# Altium PCB DCAC_V2c.PcbDoc (part 4 of 7) (continued)
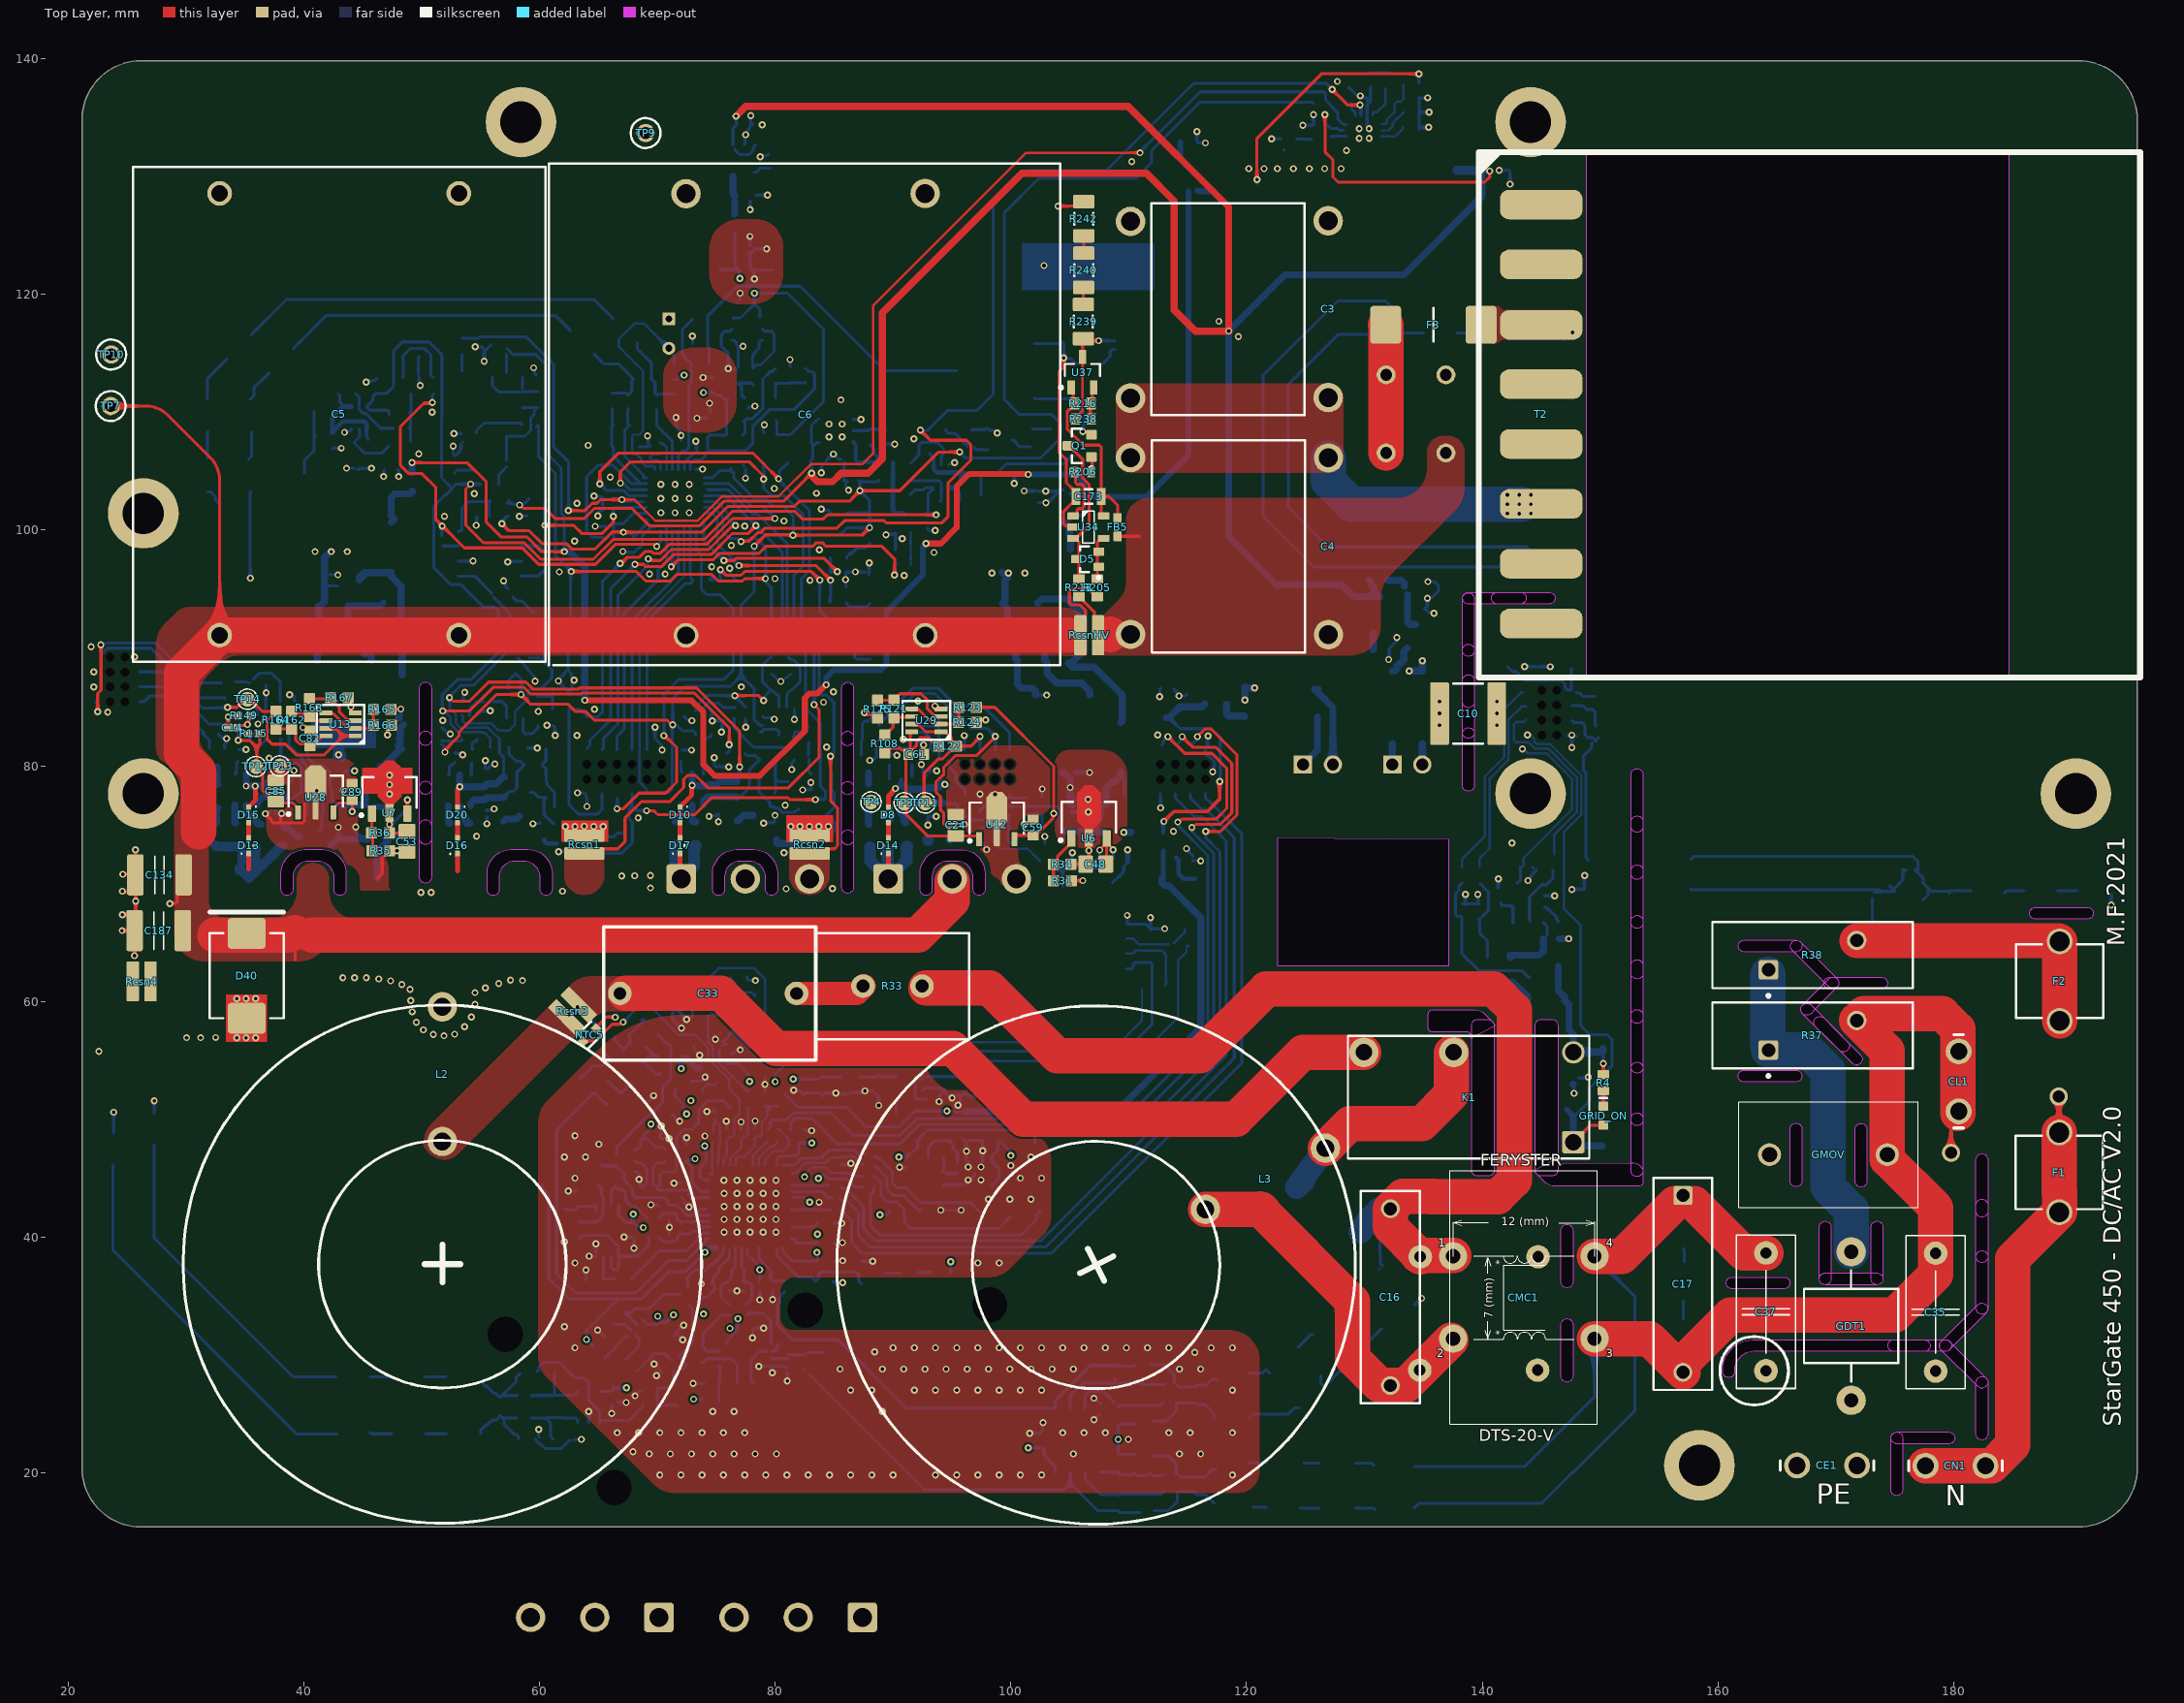
[diagram p0: Top Layer view]
## Nets (pads, with @x,y where several pads share a name; then routed paths per layer and width w, separated by ;. In a path a pad name is that pad's centre, name@x,y a point inside that pad or via, vN(x,y) a via of type N, cw(c..) or ccw(c..) an arc to the next point about the centre after c; other vN are vias at no path point) (continued)
  Bottom Layer w0.203: v1(79.987,53.184) 79.989,53.186 79.989,53.789 81.125,54.925 110.475,54.925 114.175,58.625 114.175,63.45 114.9,64.175 114.9,64.627 114.998,64.725 R256.1@115.075,64.725
  Bottom Layer w0.254: TP38.1@60.225,44.475 60.225,44.175 60.794,43.606 R57.1@60.794,42.429 60.794,36.482 62.058,35.218 62.501,34.775 66.65,34.775 67.4,34.775 68.675,34.775 70.95,37.05 72.38,37.05 v1(74.04,38.71) ; R246.1@64.555,30.72 v1(63.975,31.3) 63.975,32.075 66.65,34.75 67.4,34.75 ; v1(73.075,26.25) 73.7,26.25 R53.1@73.725,26.225 ; R53.1@73.7,26.3 R53.1@73.8,26.2 ; v1@73.975,38.775 74.2,39 ; U32.12@75.035,39.247 74.447,39.247 74.2,39 ; U32.12@75.114,39.106 75.114,39.023 75.091,39 74.2,39 ; C50.2@109.125,21.625 109.105,21.645 v1(109.105,22.83) 109.105,24.005 C145.2@109.15,24.05 109.225,24.125 R40.2@110.575,24.125 ; C50.2@109.175,21.55 R89.2@110.525,21.55
DAC2_2: C32.2 R58.2 TP37.1 U32.13 | length 33.9
  Bottom Layer w0.254: R58.2@64.328,52.022 64.523,52.216 R58.2@64.677,52.216 65.502,51.39 65.645,51.39 C32.2@65.645,51.205 ; R58.2@64.35,52 64.103,51.753 62.613,50.263 61.449,49.099 61.449,36.852 62.59,35.711 63.051,35.25 68.15,35.25 70.9,38 72.475,38 74.066,39.591 74.066,39.833 74.089,39.856 U32.13@74.364,39.856
DRV_HF_MOS_BOTT: CONN_BOTT.10 IC1.18 R107.1 | length 51.4
  Top Layer w0.254: v1(66.85,97.175) 66.944,97.175 67.473,97.705 68.48,97.705 68.95,98.175 69.531,98.175 69.699,98.007 70.201,98.007 70.369,98.175 70.389,98.175 70.999,98.785 74.17,98.785 76.367,100.982 v1(79.975,100.982)
  Bottom Layer w0.254: CONN_BOTT.10@65.3,77.63 65.294,77.624 65.294,76.294 64.9,75.9 63.288,75.9 62.5,76.688 62.5,84.1 62.5,84.725 R107.1@62.5,84.825 63.375,84.825 64.05,84.15 64.95,84.15 65.35,84.55 65.35,95.675 v1(66.85,97.175) ; IC1.18@73.975,103.925 76.12,103.925 78.045,102 78.957,102 v1(79.975,100.982)
DRV_LF_MOS_BOTT: CONN_BOTT.11 IC1.20 R99.1 | length 45.5
  Top Layer w0.254: v1(68.09,97.1) 68.818,97.1 69.018,96.9 70.336,96.9 71.357,97.921 74.567,97.921 76.346,99.7 77.694,99.7 78.347,100.353 v1(78.347,100.377)
  Bottom Layer w0.254: CONN_BOTT.11@64.03,81.48 64.273,81.723 64.273,82.148 66.05,83.925 66.05,95.06 v1(68.09,97.1) ; IC1.20@73.975,102.925 75.799,102.925 v1(78.347,100.377) ; v1@78.398,100.427 78.398,100.326 80.593,98.131 80.593,91.132 80.802,90.923 80.802,90.823 81.025,90.6 R99.1@81.125,90.6
"EARTH GND": C35.1 C37.2 C188.1 C189.2 CE1.1 CE1.2 GDT1.2 | length 5.1
  BOTT_RTN w3: CE1.2@166.84,20.66 171.85,20.66 CE1.1@171.88,20.63
GND: C9.1 C10.1 C38.1 C116.1 C149.1 J6.1 R15.2 R152.1 TP65.1 U1.3 U2.2 U5.3 | length 15.1
  Bottom Layer w0.254: C149.1@138.325,68.275 C9.1@139.675,68.275 ; C149.1@138.575,68.2 v1(138.575,69.075) ; v1(139.625,69.075) 139.625,68.375 C9.1@139.725,68.275 ; v1@141.34,70.41 141.35,70.4 R15.2@141.35,69.58 ; v1@143.45,88.4 v1(145.775,88.4) ; v1(143.875,70.255) 143.941,70.321 143.941,70.471 144.575,71.105 C116.1@144.575,71.155 ; C116.1@144.277,71.378 C116.1@144.325,71.33 ; U2.2@145.25,68.955 v1(146.15,68.955) 146.175,68.955 v1@146.225,68.905 ; J6.1@147.175,82.55 147.402,82.55 147.6,82.352 v1(147.6,81.55) ; v1@147.455,69.535 147.475,69.515 148.67,69.515 148.67,70.695 v1@148.675,70.7 ; v1(147.6,82.6) 147.7,82.5 J6.1@148.025,82.5 ; v1(147.775,52.2) C38.1@147.775,52.925 ; C38.1@148.125,53.5 148.925,53.5 ccw(c148.925,53.575) v1(149,53.575)
  Bottom Layer w0.6: R152.1@146.55,65.325 146.56,65.315 v1(147.325,65.315) ; C38.1@147.7,52.975 cw(c147.7,52.95) C38.1@147.725,52.95
  other v1: 147.605,69.5 141.37,70.41 148.685,70.69 142.52,73.43 141.25,83.45 141.25,84.45 141.25,85.45 143.6,88.425
HF_MOS_COMP1_INP: IC1.6 Q25.3 Rcsn1.2 TP59.1 | length 70.6
  Top Layer w0.254: Rcsn1.2@63.8,72.55 64.198,72.948 65.52,72.948 65.522,72.95 66.628,72.95 67.25,73.572 67.25,75.575 68.625,76.95 71.025,76.95 72.225,78.15 72.225,78.85 72.55,79.175 73.239,79.175 74.296,78.118 81.118,78.118 83.725,80.725 83.725,84.75 v1(83.295,85.18) ; v1(66.855,103.985) 66.855,104.955 67.68,105.78 77.82,105.78 78.959,104.641 78.959,104.391 v1(79.025,104.325)
  Bottom Layer w0.254: v1(66.855,103.985) 66.921,103.919 67.181,103.919 67.675,103.425 IC1.6@69.075,103.425 ; TP59.1@79,105.7 79.013,105.687 79.013,104.338 v1(79.025,104.325) ; v1@79.025,104.316 79.025,103.57 79.674,102.92 80.73,102.92 82.375,101.275 82.375,96.95 81.6,96.175 81.6,92.275 83.293,90.582 83.293,85.182 v1(83.295,85.18)
HF_TOP_TRIG_ADC_2: R180.2 R217.2 U32.33 | length 5.1
  Bottom Layer w0.178: R180.2@80.3,49.175 81.039,48.436 81.1,48.375 R217.2@81.175,48.375
  Bottom Layer w0.2: R180.2@80.25,49.175 R180.2@80.425,49 ; R180.2@80.275,49.175 R180.2@80.3,49.175 ; R217.2@81.025,48.282 R217.2@81.025,48.436
  Bottom Layer w0.203: U32.33@79.114,46.106 79.162,46.154 79.162,46.607 79.856,47.3 80.665,47.3 81.154,47.789 81.154,48.179 R217.2@81.225,48.25
HVDC_2: C167.2 R137.1 TP33.1 U30.3 | length 5.8
  Bottom Layer w0.254: R137.1@69.993,25.643 69.993,27.194 70.894,27.194 71.375,27.675 U30.3@71.375,28.608 ; R137.1@69.996,25.692 70.004,25.7 71.6,25.7 TP33.1@71.675,25.625
HVDC_ADC1_IN3_2: C60.1 C70.2 R101.2 U32.10 | length 5.7
  Bottom Layer w0.254: R101.2@73.6,34.875 74.184,34.875 74.86,35.552 74.86,35.836 74.697,35.999 74.697,36.272 C60.1@74.711,36.286 ; C60.1@74.775,36.125 74.735,36.165 74.735,36.563 C70.2@75.261,37.089 75.249,37.101 75.249,37.374 76.114,38.239 U32.10@76.114,38.914
HVDC_ADC1_IN4_2: C70.1 C132.2 R245.2 U32.11 | length 5.4
  Bottom Layer w0.254: R245.2@72.593,35.768 72.593,36.223 72.517,36.298 72.517,36.551 73.177,37.21 73.461,37.21 73.624,37.047 73.672,37.047 C132.2@73.799,37.174 ; C132.2@73.911,37.061 73.95,37.061 74.589,37.7 C70.1@74.7,37.7 ; C70.1@74.639,37.711 74.708,37.711 75.591,38.594 75.591,39.083 U32.11@75.614,39.106
HVDC_FUSE_MON: J6.7 R3.1 TP63.1 U1.4 | length 10.1
  Bottom Layer w0.254: U1.4@142.16,88.4 142.561,87.999 142.876,87.999 143.43,87.445 143.644,87.231 146.744,87.231 147.024,86.951 147.024,86.648 147.267,86.405 J6.7@147.57,86.405 147.57,88.23 TP63.1@147.525,88.275 ; J6.7@147.975,86.25 148.063,86.162 148.278,86.162 148.565,85.875 R3.1@149.575,85.875
HVDC_OPAMP1_VINN_1: C62.1 IC1.8 R132.2 | length 7.1
  Bottom Layer w0.254: R132.2@67.575,110.325 67.475,110.225 67.475,109.025 C62.1@67.625,108.875 67.6,108.875 67.227,108.502 67.227,108.355 67.225,108.353 67.225,106.275 68.791,104.709 68.791,104.427 68.793,104.425 IC1.8@69.075,104.425
HVDC_OPAMP1_VINP_1: C76.1 IC1.12 R191.2 | length 5.7
  Bottom Layer w0.254: R191.2@69.95,110.225 69.95,108.85 C76.1@70.025,108.775 70.05,108.775 71.275,107.55 IC1.12@71.275,105.125
HVDC_OPAMP1_VOUT_1: C62.2 IC1.7 R126.2 R160.1 TP55.1 | length 19.7
  Bottom Layer w0.254: R160.1@65.438,99.387 64.788,99.387 64.775,99.4 64.475,99.4 64,99.875 64,104.55 64.95,105.5 66.236,105.5 67.809,103.927 68.538,103.927 ; C62.2@66.125,108.875 66.125,107.15 66.264,107.011 66.264,106.269 68.607,103.927 69.073,103.927 IC1.7@69.075,103.925 ; R126.2@66.15,110.325 66.15,109.1 C62.2@66.275,108.975
I_HVDC_OPAMP2_COMP4_1: C144.2 D43.3 IC1.13 R243.2 TP45.1 | length 13.9
  Bottom Layer w0.254: IC1.13@71.775,105.125 71.775,106.29 C144.2@71.885,106.4 ; C144.2@72,106.535 72,106.555 72.193,106.748 72.424,106.748 72.642,106.966 72.642,109.773 72.65,109.781 72.65,112.2 D43.3@72.775,112.325 ; D43.3@72.75,112.325 72.875,112.45 72.875,114.075 72.9,114.1 72.306,114.694 72.3,114.694 72.12,114.874 72.12,117.045 TP45.1@73,117.925
I_HVDC_OPAMP2_OUT_1: IC1.11 R199.1 | length 2.7
  Bottom Layer w0.2: R199.1@70.2,107.475 70.375,107.3 70.443,107.3 70.468,107.325 70.775,107.018 IC1.11@70.775,105.125
I_HVDC_SENSE+: C2.1 C4.1 D3.1 FB5.2 R213.1 RcsnHV.2 | length 4.8
  Top Layer w0.254: R213.1@105.775,94.35 105.875,94.35 106.148,94.077 106.148,93.977 107.1,93.025 107.1,92.5 RcsnHV.2@107.275,92.325 ; RcsnHV.2@107.275,89.95 RcsnHV.2@107.3,89.925 ; 108.775,92.375 ccw(c108.825,92.375) 108.825,92.325 ; FB5.2@109.05,99.475 110.925,99.475
  Top Layer w3: 108.375,91.125 108.425,91.175
IAC_ADC2_IN4_2: C34.1 C164.2 R61.2 U32.15 | length 6.3
  Bottom Layer w0.254: R61.2@70.1,39.95 70.124,39.926 70.236,39.926 70.556,39.605 71.489,39.605 71.69,39.806 71.69,40.037 71.883,40.23 C34.1@71.903,40.23 ; C34.1@71.873,40.23 C34.1@72.058,40.415 ; C34.1@71.973,40.23 C34.1@71.903,40.23 ; U32.15@74.364,40.856 73.639,40.856 73.311,40.528 73.056,40.528 72.863,40.335 C164.2@72.863,40.315 72.82,40.272 72.116,40.272 C34.1@72.058,40.33 ; C34.1@71.903,40.23 C34.1@71.957,40.23 ; C34.1@71.903,40.23 C34.1@71.957,40.23 ; C34.1@71.903,40.23 C34.1@71.957,40.23 ; C34.1@71.903,40.23 72.058,40.385 C34.1@72.058,40.33 ; C34.1@71.957,40.23 C34.1@72.058,40.33 ; C34.1@71.957,40.23 C34.1@72.058,40.33 ; C34.1@71.957,40.23 C34.1@72.058,40.33 ; C34.1@71.957,40.23 C34.1@72.058,40.33
IAC_ADC2_IN5_2: C164.1 C165.2 R210.2 U32.16 | length 6.1
  Bottom Layer w0.254: R210.2@70.1,41.575 70.53,42.005 71.489,42.005 71.688,41.806 C165.2@71.688,41.43 ; C165.2@71.853,41.38 71.873,41.38 C165.2@72.058,41.195 ; U32.16@74.364,41.356 73.023,41.356 C164.1@72.863,41.195 72.863,41.245 72.82,41.287 72.77,41.287 72.116,41.287 C165.2@72.058,41.229 ; C165.2@71.903,41.38 C165.2@72.053,41.229 ; C165.2@71.903,41.38 C165.2@72.053,41.229 ; C165.2@71.903,41.38 C165.2@72.053,41.229 ; C165.2@71.903,41.38 C165.2@72.053,41.229 ; C165.2@71.903,41.38 71.903,41.35 C165.2@72.058,41.195 ; C165.2@72.053,41.229 C165.2@72.058,41.229 ; C165.2@72.058,41.195 C165.2@72.058,41.229
IAC_COMP1_INP_2: C40.2 R72.2 TP30.1 U32.17 U32.18 | length 12.9
  Bottom Layer w0.254: TP30.1@65.275,46.1 65.325,46.05 66.45,46.05 R72.2@66.475,46.075 67.175,45.375 67.175,44.849 67.883,44.14 67.883,43.573 68.111,43.345 70.633,43.345 70.861,43.118 70.861,42.887 71.054,42.694 71.68,42.694 72.518,41.856 73.144,41.856 ; U32.18@74.187,42.358 73.646,42.358 73.144,41.856 ; U32.17@74.364,41.856 73.144,41.856
IAC_PGA2_VOUT_2: R59.2 U32.14 | length 8.3
  Bottom Layer w0.254: R59.2@67.763,36.43 70.158,38.825 72.464,38.825 73.487,39.849 73.487,39.968 73.852,40.333 74.341,40.333 U32.14@74.364,40.356
IAC_REF_2: C20.2 R255.2 U32.27 | length 5.9
  Bottom Layer w0.178: C20.2@77.1,48.285 77.1,48.3 77.1,48.305 77.223,48.428 77.331,48.536 77.48,48.536 77.687,48.743 77.687,50.937 R255.2@77.775,51.025
  Bottom Layer w0.203: U32.27@76.114,46.106 76.162,46.154 76.162,46.645 77.125,47.608 C20.2@77.125,48.285 ; C20.2@77.1,48.3 C20.2@77.225,48.425
IND_GND: BR2.4 C11.1 C12.1 C18.1 C19.1 C20.1 C21.1 C22.1 C29.1 C30.1 C31.1 C34.2 C40.1 C41.2 C44.2 C46.2 C60.2 C63.1 C64.1 C65.1 C73.1 C79.1 C84.1 C94.1 C96.1 C99.1 C101.1 C108.1 C111.1 C128.1 C130.2 C131.1 C132.1 C133.1 C135.1 C139.1 C143.1 C148.1 C151.1 C152.1 C153.1 C155.1 C156.1 C157.1 C158.1 C160.1 C162.1 C163.1 C165.1 C167.1 C169.2 C174.1 C175.1 C190.1 D2.2 J1.1 J1.8 J2.3 NTC5.1 Q7.2 R1.2 R7.1 R11.1 R44.2 R65.1 R82.2 R117.1 R204.1 TP23.1 TP24.1 TP29.1 TP34.1 U4.2 U8.2 U9.4 U19.4 U20.4 U21.2 U22.1 U22.2 U25.1 U25.7 U30.4 U32.49 U38.2 U39.5 U41.2 | length 107.4
  Top Layer w0.254: 65.023,58.023 65.669,58.669 66.431,58.669 v1(66.439,58.661)
  Bottom Layer w0.2: C139.1@71.182,50.342 C139.1@71.383,50.342 ; U38.2@76.162,55.554 76.445,55.554 76.707,55.816 76.951,55.816 v1(77.028,55.892) ; v1(78.6,29.025) 79.349,29.026 U20.4@79.375,29 ; U20.4@79.538,28.999 79.566,29.026 U20.4@79.69,29.026 80.718,29.026 80.81,28.935 C131.1@81.045,28.935 ; v1(79.75,28.475) 79.75,28.975 U20.4@79.8,29.025 ; v1(79.775,34.7) 79.775,35.4 C133.1@79.8,35.425 ; C44.2@84.95,39.475 85,39.525 v1(85.7,39.525) ; R82.2@84.95,41.125 85,41.175 v1(85.625,41.175) ; C169.2@85,37.925 85.075,38 v1(85.725,38) ; v1(94.05,42.285) 94.898,42.285 94.91,42.273 v1@95.787,42.273
  Bottom Layer w0.254: R44.2@59.656,22.854 59.656,22.804 59.979,22.481 60.029,22.481 60.461,22.049 61.826,22.049 62.531,22.754 C130.2@62.631,22.754 ; v2(59.925,23.675) 59.925,23.075 R44.2@59.95,23.05 ; v1(62.45,43.9) 63.1,43.9 C19.1@63.15,43.85 ; C130.2@62.925,22.75 63,22.825 v1(63.55,22.825) ; C99.1@63.88,36.38 63.942,36.442 v1(63.942,37.2) ; v1(64.175,25.2) 64.178,25.197 64.178,24.282 U8.2@64.181,24.279 ; v1(64.2,38.375) 64.725,38.375 U9.4@64.775,38.325 ; U9.4@64.775,38.65 64.769,38.656 64.769,39.419 v1(64.775,39.425) ; v1(64.925,32.1) cw(c64.925,32.04) 64.968,32.082 C174.1@65.5,31.55 ; v1(66.125,25.025) C152.1@66.125,25.791 ; C152.1@66.581,26.004 C152.1@66.656,26.004 ; C152.1@66.65,25.95 66.655,25.955 v1(67.35,25.955) ; v1(67.169,40.007) 67.805,40.007 C31.1@67.876,39.936 ; C31.1@67.988,39.855 68.017,39.825 v1(68.017,39.052) ; U22.1@68.076,45.527 68.234,45.527 68.407,45.354 68.407,44.936 v1(68.439,44.904) 68.439,44.81 68.534,44.715 68.534,44.341 68.7,44.175 68.7,44.2 69.12,44.621 69.12,45.778 68.594,46.304 68.249,46.304 U22.2@68.076,46.477 ; v1(68.1,26.525) 68.1,26.577 68.473,26.95 C167.1@68.675,26.95 ; U21.2@69.175,51.45 69.175,51.473 69.675,51.973 v1(69.675,52) ; U21.2@69.184,51.526 U21.2@69.184,51.544 ; v1(69.45,42.741) 69.473,42.717 70.009,42.717 C40.1@70.139,42.588 ; v1(69.71,29.215) 69.721,29.215 70.161,28.775 U30.4@70.175,28.775 ; v1(69.925,28.25) 70.263,28.588 70.312,28.588 U30.4@70.375,28.525 ; C163.1@70.228,48.634 70.331,48.736 v1(70.331,49.411) ; C163.1@70.243,48.475 70.366,48.351 v1(71.003,48.351) ; C34.2@71.005,40.237 C165.1@71.005,41.422 ; R1.2@71.355,59.07 71.285,58.999 71.285,58.483 v1(72.044,57.724) ; C139.1@71.383,50.342 71.383,50.248 71.791,49.84 v1(71.885,49.84) ; C175.1@71.385,31.615 71.602,31.833 C175.1@71.602,31.848 71.602,31.902 v1(72.225,32.525) v1@72.275,32.575 ; v1(71.4,44.578) 71.422,44.599 72.028,44.599 C108.1@72.05,44.621 ; C175.1@71.575,31.775 71.65,31.775 v1(72.15,31.275) ; R1.2@71.675,59.14 71.812,59.14 71.916,59.036 71.919,59.036 v1(72.48,58.475) 72.546,58.541 72.762,58.541 73,58.78 C22.1@73,59.5 ; C160.1@72.065,43.348 72.07,43.348 72.263,43.155 72.263,42.924 72.636,42.55 v1(72.679,42.55) ; v1(72.465,48.432) 72.432,48.399 72.432,47.922 C111.1@72.506,47.849 ; C190.1@72.823,53.177 72.858,53.213 73.713,53.213 v1@74,53.5 ; v1(73.025,27.585) 73.945,27.585 C96.1@73.98,27.55 ; C22.1@73.05,59.55 C22.1@73,59.5 ; C94.1@73.067,56.142 73.067,55.983 v1@73.6,55.45 ; v1(74.212,50.657) 74.278,50.724 74.735,50.724 C135.1@74.857,50.602 ; U41.2@74.375,59.8 74.175,59.8 73.875,59.5 C22.1@73,59.5 ; C135.1@74.775,50.815 cw(c74.977,50.661) 74.807,50.85 C135.1@74.833,50.873 ; C21.1@74.816,57.134 74.816,56.977 74.925,56.869 v1(74.925,56.775) ; C21.1@75.275,57.325 C21.1@75.323,57.277 ; v1(75.85,49.825) 75.888,49.788 75.888,49.232 C29.1@75.934,49.185 ; C84.1@76.1,35.435 76.1,35.43 76.745,35.43 v1(76.75,35.425) 76.755,35.43 77.395,35.43 C41.2@77.4,35.435 ; C20.1@77.1,49.165 v1(77.1,49.775) 77.1,49.85 v1@77.125,49.875 ; R204.1@77.6,62 R204.1@77.6,62.1 ; R204.1@77.625,61.925 77.775,61.775 v1(78.325,61.775) ; v1(78.075,31.45) 78.075,32.054 cw(c78.246,32.054) C128.1@78.125,32.175 ; C128.1@78.218,32.246 78.246,32.275 v1(79.025,32.275) ; v1(78.3,49.85) 78.287,49.838 78.287,49.338 C63.1@78.325,49.3 ; C46.2@78.675,35.41 78.705,35.38 v1@78.705,34.685 ; R65.1@79.125,52.3 v1(79.125,52.95) C65.1@79.125,53.575 ; v1(81.017,27.791) C131.1@81.017,28.556 ; v1@81.508,52.423 v1(81.56,52.475) 81.654,52.475 81.731,52.398 82.087,52.398 C148.1@82.385,52.1 C148.1@82.36,52.075 ; C155.1@82.375,49.2 82.523,49.052 83.048,49.052 v1(83.075,49.025) ; C148.1@82.46,52.175 82.51,52.225 83.76,52.225 C143.1@83.96,52.025 ; C143.1@83.96,51.95 84.235,52.225 v1(85.135,52.225) 85.201,52.159 86.259,52.159 86.35,52.25 87.366,52.25 87.516,52.4 v1@87.575,52.4 ; R117.1@84.9,36.225 85,36.125 85.65,36.125 v1@85.675,36.15 ; D2.2@85.58,46.105 85.628,46.153 86.229,46.153 86.291,46.215 v1@86.45,46.215 ; Q7.2@87.35,37.925 87.375,37.95 v1(88.275,37.95) ; v1(87.61,52.4) 88.255,52.4 C101.1@88.572,52.083 ; v1(88.785,51.175) 88.785,51.922 C101.1@88.822,51.958 ; v1(90.55,45.925) 90.616,45.859 91.034,45.859 C158.1@91.125,45.95 ; U4.2@92.5,52.47 92.5,52.494 92.673,52.667 U4.2@92.873,52.667 ; U4.2@92.902,52.667 93.917,52.667 94.109,52.475 C73.1@94.385,52.475 ; v1(93.9,51.5) 93.961,51.561 93.961,52.03 94.259,52.328 C73.1@94.306,52.328 ; R11.1@94.24,44.367 94.315,44.442 U25.1@95.465,44.442 96.167,44.442 96.915,45.19 U25.7@96.915,45.392 ; C73.1@94.419,52.265 94.654,52.03 94.677,52.03 94.906,51.8 v1(95,51.8) 95.094,51.8 95.344,52.05 C12.1@95.86,52.05 ; v1(95.5,51.2) 95.5,51.294 95.687,51.481 95.687,51.852 95.848,52.013 95.898,52.013 C12.1@96.035,52.15 ; C157.1@95.915,48.317 C157.1@96.19,48.042 ; C12.1@96.06,52.25 96.36,51.95 97.285,51.95 97.341,51.894 97.944,51.894 98,51.95 TP24.1@98.06,51.95 ; C157.1@96.19,48.142 C157.1@96.19,48.042 ; v1(96.225,47.29) 96.225,48.007 C157.1@96.19,48.042 ; U25.7@96.415,46.392 96.313,46.392 96.19,46.515 C157.1@96.19,48.042 ; C157.1@96.415,48.192 C156.1@97.54,48.192 ; U25.7@97.44,46.267 97.615,46.442 v1@97.615,47.385 ; C156.1@97.565,48.192 C156.1@97.54,48.192 ; v1(97.61,47.315) 97.61,48.122 C156.1@97.54,48.192 ; v1(101.6,23.35) C30.1@102.55,23.35 ; C30.1@102.475,23.45 102.7,23.675 v1@102.7,24.345 ; v2(107.05,24.5) 107.077,24.5 107.475,24.898 U19.4@107.475,24.975 ; v2(107.05,26.32) 107.117,26.32 107.588,25.85 U19.4@107.65,25.85 ; v1@109.875,67.35 109.875,66.645 U39.5@109.82,66.59 109.845,66.565 111.435,66.565 C18.1@111.85,66.15 ; C18.1@111.825,66.125 C18.1@111.85,66.15 ; v1(111.85,67.11) C18.1@111.85,66.15 ; C18.1@111.925,66.075 C18.1@111.85,66.15 ; v1(112.625,85.875) 112.625,86.5 C162.1@112.7,86.575 ; J1.8@112.695,77.63 112.695,76.555 v1@112.7,76.55 ; v1(113.05,66.175) 111.875,66.175 C18.1@111.85,66.15 ; C162.1@113.85,86.525 113.85,86.45 114.206,86.094 114.206,85.991 v1(114.272,85.925) v1(114.272,85.925) 114.801,85.926 C11.1@114.925,86.05 ; v1(114.9,72.975) 114.9,72.9 115.45,72.35 R7.1@115.45,72.275 ; R7.1@115.425,71.95 115.45,71.925 v1(116.1,71.925) ; J1.1@116.505,81.37 116.505,81.005 116.748,80.762 116.838,80.762 117.275,80.325 117.275,79.744 117.125,79.594 v1(117.125,79.5) ; J1.1@116.725,81.604 116.668,81.661 116.668,82.468 v1(116.725,82.525)
  Bottom Layer w0.6: v1(119.85,85.575) BR2.4@119.85,86.695 119.945,86.6 v1(120.675,86.6)
  other v1: 70.2,19.8 72,19.8 73.8,19.8 75.6,19.8 77.4,19.8 79.2,19.8 81,19.8 82.8,19.8 84.6,19.8 86.4,19.8 88.2,19.8 90,19.8 93.6,19.8 95.4,19.8 97.2,19.8 99,19.8 100.8,19.8 102.6,19.8 118.8,19.8 69.3,21.6 71.1,21.6 72.9,21.6 74.7,21.6 76.5,21.6 78.3,21.6 80.1,21.6 105.3,21.6 114.3,21.6 116.1,21.6 67.925,21.775 109.96,22.83 66.6,23.4 68.4,23.4 70.2,23.4 72,23.4 73.8,23.4 75.6,23.4 77.4,23.4 104.4,23.4 106.2,23.4 108,23.4 113.4,23.4 115.2,23.4 118.8,23.4 102.725,24.25 74.7,25.2 76.5,25.2 89.1,25.2 86.4,27 88.2,27 91.8,27 93.6,27 95.4,27 97.2,27 99,27 100.8,27 102.6,27 118.8,27 85.5,28.8 89.1,28.8 90.9,28.8 92.7,28.8 94.5,28.8 96.3,28.8 98.1,28.8 99.9,28.8 101.7,28.8 103.5,28.8 105.3,28.8 114.3,28.8 116.1,28.8 115.595,30.22 88.425,30.25 63,30.6 90,30.6 91.8,30.6 93.6,30.6 95.4,30.6 97.2,30.6 99,30.6 100.8,30.6 102.6,30.6 104.4,30.6 106.2,30.6 108,30.6 109.8,30.6 111.6,30.6 113.4,30.6 117,30.6 118.8,30.6 62.1,32.4 78.695,34.68 73.725,36.025 85.725,36.125 63,37.8 97.2,37.8 99,37.8 62.1,39.6 75.664,40.406 76.764,40.406 77.864,40.406 78.964,40.406 80.064,40.406 71.022,40.82 75.664,41.506 76.764,41.506 77.864,41.506 78.964,41.506 80.064,41.506 95.775,42.285 75.664,42.606 76.764,42.606 77.864,42.606 78.964,42.606 80.064,42.606 83.725,42.95 98.1,43.2 99.9,43.2 101.7,43.2 75.664,43.706 76.764,43.706 77.864,43.706 78.964,43.706 80.064,43.706 75.639,44.806 76.764,44.806 77.864,44.806 78.964,44.806 80.064,44.806 63,45 100.8,45 102.6,45 100,46.075 86.42,46.25 62.1,46.8 63.9,46.8 101.7,46.8 65.025,47.875 74.025,48.575 63,48.6 74.05,53.575 73.575,55.425 109.875,67.3 113.785,74.44 112.7,76.425 112.453,82.625
  other v3: 96.365,44.842 97.465,44.842 96.365,45.942 97.465,45.942
IND_V_3V3A: C94.2 C108.2 C111.2 TP21.1 U32.21 U38.5 | length 20.9
  TOP_RTN w0.5: v1(72.025,54.3) 72.044,54.281 72.044,52.444 70.273,50.673 69.373,50.673 68.525,49.825 68.525,48.525 70.407,46.643 v1(73.199,46.643)
  Bottom Layer w0.254: C111.2@72.4,46.35 72.627,46.577 73.133,46.577 v1(73.199,46.643) ; C111.2@72.507,46.357 72.532,46.357 72.93,45.96 C108.2@72.93,44.621 72.95,44.621 73.699,43.871 74.348,43.871 U32.21@74.364,43.856
  Bottom Layer w0.5: v1(72.025,54.3) 72.025,54.782 72.333,55.09 C94.2@72.333,55.258 ; C94.2@72.183,55.258 72.392,55.258 73.215,54.435 73.251,54.435 73.44,54.246 73.511,54.246 U38.5@73.652,54.387
IND_V_3V3D: C44.1 C64.2 C155.2 C158.2 C169.1 FB19.2 J1.3 J2.1 LED2.2 TP27.1 U32.1 U32.23 U32.35 U32.48 | length 102.4
  Top Layer w0.254: v1(115.825,82.475) 115.825,82.48 116.474,83.13 116.976,83.13 119.175,80.93 119.175,75.825 117.775,74.425 v1(116.525,74.425)
  TOP_RTN w0.254: v1(74.021,47.746) 74.088,47.813 74.671,47.813 74.833,47.975 v1@83,47.975 ; v1(83.55,38.7) 83.562,38.712 83.562,40.235 v1(83.575,40.247) ; v1@83.641,40.416 85.925,42.7 ; 85.925,47.975 86.525,48.575 86.525,47.2 ; 88.7,44.35 88.7,45.025 ; v1(94.9,37.9) 94.9,40.275
  Bottom Layer w0.254: C64.2@73.547,47.703 73.862,47.703 73.905,47.746 v1(74.021,47.746) 74.021,47.653 74.125,47.549 74.125,46.375 73.621,45.871 73.621,45.11 73.852,44.879 74.341,44.879 U32.23@74.364,44.856 ; U32.35@80.114,46.106 80.137,46.129 80.137,46.617 80.395,46.875 81.725,46.875 81.997,47.147 81.997,47.897 C155.2@82.1,48 ; U32.1@80.614,39.106 80.614,38.831 81.494,37.95 C169.1@83.55,37.95 v1(83.55,38.7) ; U32.48@81.364,39.856 81.639,39.856 81.662,39.833 81.662,39.624 81.81,39.475 C44.1@83.55,39.475 ; C155.2@82.2,48 C155.2@82.25,48 83.125,48 v1(83.1,47.975) ; v1(83.575,40.247) 83.575,39.625 C44.1@83.625,39.575 ; v1(88.875,41.9) 89.462,41.9 89.761,42.199 J2.1@89.761,42.225 ; C158.2@91.375,47.025 C158.2@91.425,47.025 ; C158.2@91.7,47.225 91.7,47.3 91.723,47.323 91.798,47.323 92.093,47.618 92.093,48.132 FB19.2@92.025,48.2 92.1,48.2 92.323,48.423 92.323,48.498 92.9,49.075 110.895,49.075 117.745,55.925 117.745,72.68 116.525,73.9 v1(116.525,74.425) ; v1@94.85,37.9 94.875,37.875 LED2.2@94.875,37 ; TP27.1@102.025,47.95 102.025,48.975 102.05,49 ; J1.3@115.425,81.798 115.425,81.925 115.478,81.978 115.569,81.978 115.759,82.167 115.759,82.409 v1(115.825,82.475)
  Bottom Layer w0.4: v1@90.4,46.8 v1(90.5,46.8) 91.15,46.8 C158.2@91.375,47.025
IND_V_5A: C18.2 C21.2 C30.2 C31.2 C65.2 C128.2 C139.2 C143.2 C148.2 C152.2 C163.2 C175.2 FB13.2 TP20.1 TP28.1 U8.5 U9.8 U19.8 U20.8 U21.5 U22.3 U22.4 U30.8 U38.1 U38.3 U39.8 U41.5 | length 170.8
  TOP_RTN w0.254: v1@67.4,27.125 67.528,27.253 67.878,27.253 ; v1(67.95,41.95) 67.95,42.633 67.825,42.758 67.825,51.005 72.149,55.329 ; 68.525,50.61 67.97,50.055 67.97,47.422 70.425,44.968 70.425,42.6 72.275,40.75 72.275,34.65 73.1,33.825 73.1,32.475 ; v1@71.4,33.325 71.4,36.825 67.092,41.133 67.092,51.442 71.528,55.878 ; 73.325,37.9 73.325,43.825 71.625,45.525 71.625,45.939 71.774,46.088 72.397,46.088 73.535,44.95 ; 74.171,55.878 74.178,55.884 74.891,55.884 74.925,55.85 ; 74.325,55.366 74.709,55.75 ; 74.953,55.878 75.722,55.878 76.9,54.7 ; 76.25,53.25 76.25,54.725 ; 78.025,36.425 78.025,34.375 79.665,32.735 ; 78.933,26.867 81.425,24.375 ; 78.933,30.108 79.65,30.825 79.65,32.65 79.675,32.675
  Bottom Layer w0.254: U8.5@65.131,26.879 65.158,26.906 66.108,26.906 66.281,27.079 C152.2@66.281,27.329 ; C152.2@66.456,27.204 67.346,27.204 v1@67.375,27.175 ; C152.2@66.556,27.104 C152.2@66.631,27.179 ; U9.8@66.713,42.755 66.713,41.805 67.28,41.237 C31.2@67.955,41.237 ; C31.2@67.825,41.6 67.825,41.367 C31.2@67.955,41.237 ; v1(67.95,41.95) 67.95,41.275 C31.2@68,41.225 ; C31.2@67.988,41.205 C31.2@67.955,41.237 ; U22.3@68.076,47.427 68.276,47.427 68.449,47.6 68.449,47.618 68.58,47.749 68.58,48.286 68.645,48.35 C163.2@69.025,48.35 ; C31.2@68.15,41.025 68.268,40.907 68.6,40.907 68.706,40.8 v1(68.8,40.8) ; U30.8@68.734,32.97 69.123,32.581 70.005,32.581 70.191,32.767 70.733,32.767 C175.2@70.75,32.75 ; C163.2@68.878,48.634 68.878,48.684 69.425,49.23 ; C163.2@69.125,48.337 69.862,47.6 70.503,47.6 U22.4@70.676,47.427 ; v1(70.025,33.275) 70.525,32.775 C175.2@70.6,32.775 ; C175.2@70.648,32.802 70.777,32.802 v1@71.4,33.425 ; U21.5@71.606,52.534 71.465,52.393 71.465,52.148 71.48,52.133 71.48,51.953 C139.2@72.137,51.297 ; C139.2@72.2,51.125 72.172,51.097 72.172,50.84 72.465,50.547 v1(72.465,50.454) ; U38.1@75.252,55.849 75.252,55.326 75.864,54.714 76.422,54.714 76.448,54.741 76.693,54.741 U38.3@76.702,54.75 ; U38.1@75.491,56.226 75.632,56.367 U38.1@75.877,56.367 ; U38.1@75.7,56.4 75.632,56.468 75.632,56.612 76.077,57.057 76.077,57.202 76.577,57.702 76.602,57.702 76.602,58.677 76.775,58.85 77.175,58.85 U41.5@77.348,58.677 ; U20.8@75.916,30.974 75.916,31.245 C128.2@76.798,32.127 ; v1(76.153,32.25) C128.2@76.675,32.25 ; C21.2@76.375,57.55 76.375,57.5 76.673,57.202 76.723,57.202 77.756,56.169 77.932,56.169 TP28.1@78.013,56.25 ; U38.3@76.575,54.75 U38.3@76.702,54.75 ; C128.2@76.825,32.289 v1(76.825,33.075) ; U38.3@76.834,54.882 U38.3@76.702,54.75 ; C65.2@77.75,53.725 77.75,53.775 76.775,54.75 U38.3@76.702,54.75 ; TP28.1@78.2,55.95 78.375,55.775 109.7,55.775 111.975,58.05 111.975,63.175 C18.2@111.825,63.325 ; v1(81.535,53.4) 83.71,53.4 C143.2@83.96,53.65 ; C143.2@84.06,53.65 C143.2@83.96,53.65 ; FB13.2@85.56,53.575 84.035,53.575 C143.2@83.96,53.65 ; v1@101.45,22.1 C30.2@102.475,22.1 ; C30.2@102.675,22.1 102.823,21.952 102.823,21.472 103.745,20.55 U19.8@103.745,20.05 ; U39.8@109.82,62.78 110.226,62.78 110.386,62.94 110.386,63.164 110.538,63.315 C18.2@111.825,63.315
  other v1: 101.465,22.1 67.375,27.2 71.375,33.4 73.925,33.475 69.45,49.575 72.85,51.575 77.825,53.2
IND_V_6VP: C7.2 C12.2 C73.2 C156.2 FB1.2 R62.2 TP22.1 U4.1 U4.3 U25.4 U25.6 | length 81.8
  TOP_RTN w0.6: v1@94.55,50.7 96.85,48.4 97.875,48.4 99.35,46.925 v1(100,46.925)
  Bottom Layer w0.254: R62.2@80.8,52.125 81.925,51 86.05,51 87.675,49.375 90.539,49.375 91.864,50.7 v1(94.575,50.7) 94.62,50.655 95.19,50.655 95.249,50.595 95.751,50.595 95.81,50.655 96.055,50.655 ; U4.1@92.535,53.675 92.535,53.478 92.5,53.444 92.009,53.444 91.86,53.295 91.86,51.865 92.009,51.717 U4.3@92.873,51.717 ; U4.1@92.873,53.617 C73.2@94.306,53.617 ; C73.2@94.306,53.678 C73.2@94.306,53.617 ; TP22.1@97.675,53.75 C12.2@96.06,53.75 95.927,53.617 C73.2@94.306,53.617 ; U25.6@98.365,44.442 98.44,44.442 98.97,44.972 98.97,45.812 98.44,46.342 U25.4@98.365,46.342 98.365,46.867 98.915,47.417 C156.2@98.915,48.067 ; C156.2@99.04,48.142 99.065,48.142 99.438,47.769 99.438,47.744 99.934,47.248 99.934,46.966 v1@99.975,46.925
  Bottom Layer w0.4: C7.2@112.925,70.475 FB1.2@112.925,72.775
  Bottom Layer w0.6: 96.055,50.655 98.9,50.655 99.32,50.655 108.98,50.655 116.105,57.78 116.105,67.115 113.42,69.8 113.095,69.8 112.82,70.075 C7.2@112.82,70.4 ; TP22.1@97.7,53.8 97.828,53.672 98.453,53.672 98.9,53.225 98.9,50.825
INV_IND_SHUNT+: L2.1 R63.1 Rcsn3.2 | length 2.9
  Bottom Layer w0.254: v1@62.475,58.925 64.276,57.124 64.276,56.808 R63.1@64.239,56.771
  other v1: 62.5,58.9
INV_IND_SHUNT-: C33.2 K1.2 R1.1 R73.1 R260.2 Rcsn3.1 | length 102.1
  Top Layer w3: C33.2@67.29,60.675 75.395,60.675 80.07,56 95.075,56 101.075,50 119.1,50 124.775,55.675 K1.2@129.95,55.675
  BOTT_RTN w0.5: K1.2@129.95,55.675 129.95,45.475 128.545,44.07 128.545,39.515 133.255,34.805 v1(134.845,34.805)
  Bottom Layer w0.254: v1(63.225,59.525) 64.789,57.961 64.98,57.961 65.051,57.89 65.121,57.961 R73.1@65.437,57.961 ; K1.2@129.95,55.2 K1.2@130.1,55.35 ; R260.2@134.25,34.25 134.29,34.25 v1(134.845,34.805)
  Bottom Layer w0.6: C33.2@66.775,60.475 67.394,60.475 67.809,60.06 70.224,60.06 R1.1@70.295,60.13
JTDO_SWO_1: J3.6 R171.2 | length 3.5
  Bottom Layer w0.254: R171.2@86.125,91.125 86.125,91.025 86.745,90.405 86.745,89.194 86.894,89.045 J3.6@88.025,89.045
L_GRID: C17.2 C35.2 CL1.1 CL1.2 CMC1.3 GMOV.1 R28.2 R37.2 R264.2 TP25.1 | length 102.9
  Top Layer w0.254: TP25.1@179.775,47.15 179.775,49.493 180.3,50.018 CL1.1@180.3,50.26
  Top Layer w3: CMC1.3@149.525,31.375 154.175,31.375 C17.2@157.025,28.525 157.025,29.335 161.065,33.375 175,33.375 178.475,36.85 C35.2@178.475,38.625 178.475,42.485 174.375,46.585 GMOV.1@174.375,46.995 174.375,55.78 R37.2@171.78,58.375 172.36,58.955 179.045,58.955 180.36,57.64 CL1.2@180.36,55.22 ; CL1.1@180.365,50.495 CL1.2@180.365,55.625
  Bottom Layer w0.254: R264.2@134.235,20.51 143.595,20.51 149.525,26.44 CMC1.3@149.525,31.375 ; C17.2@156.95,28.6 157.025,28.675 157.025,30.125 R28.2@157.05,30.15